# KiCad board data-center-rdimm-ddr4-tester.kicad_pcb (continued)
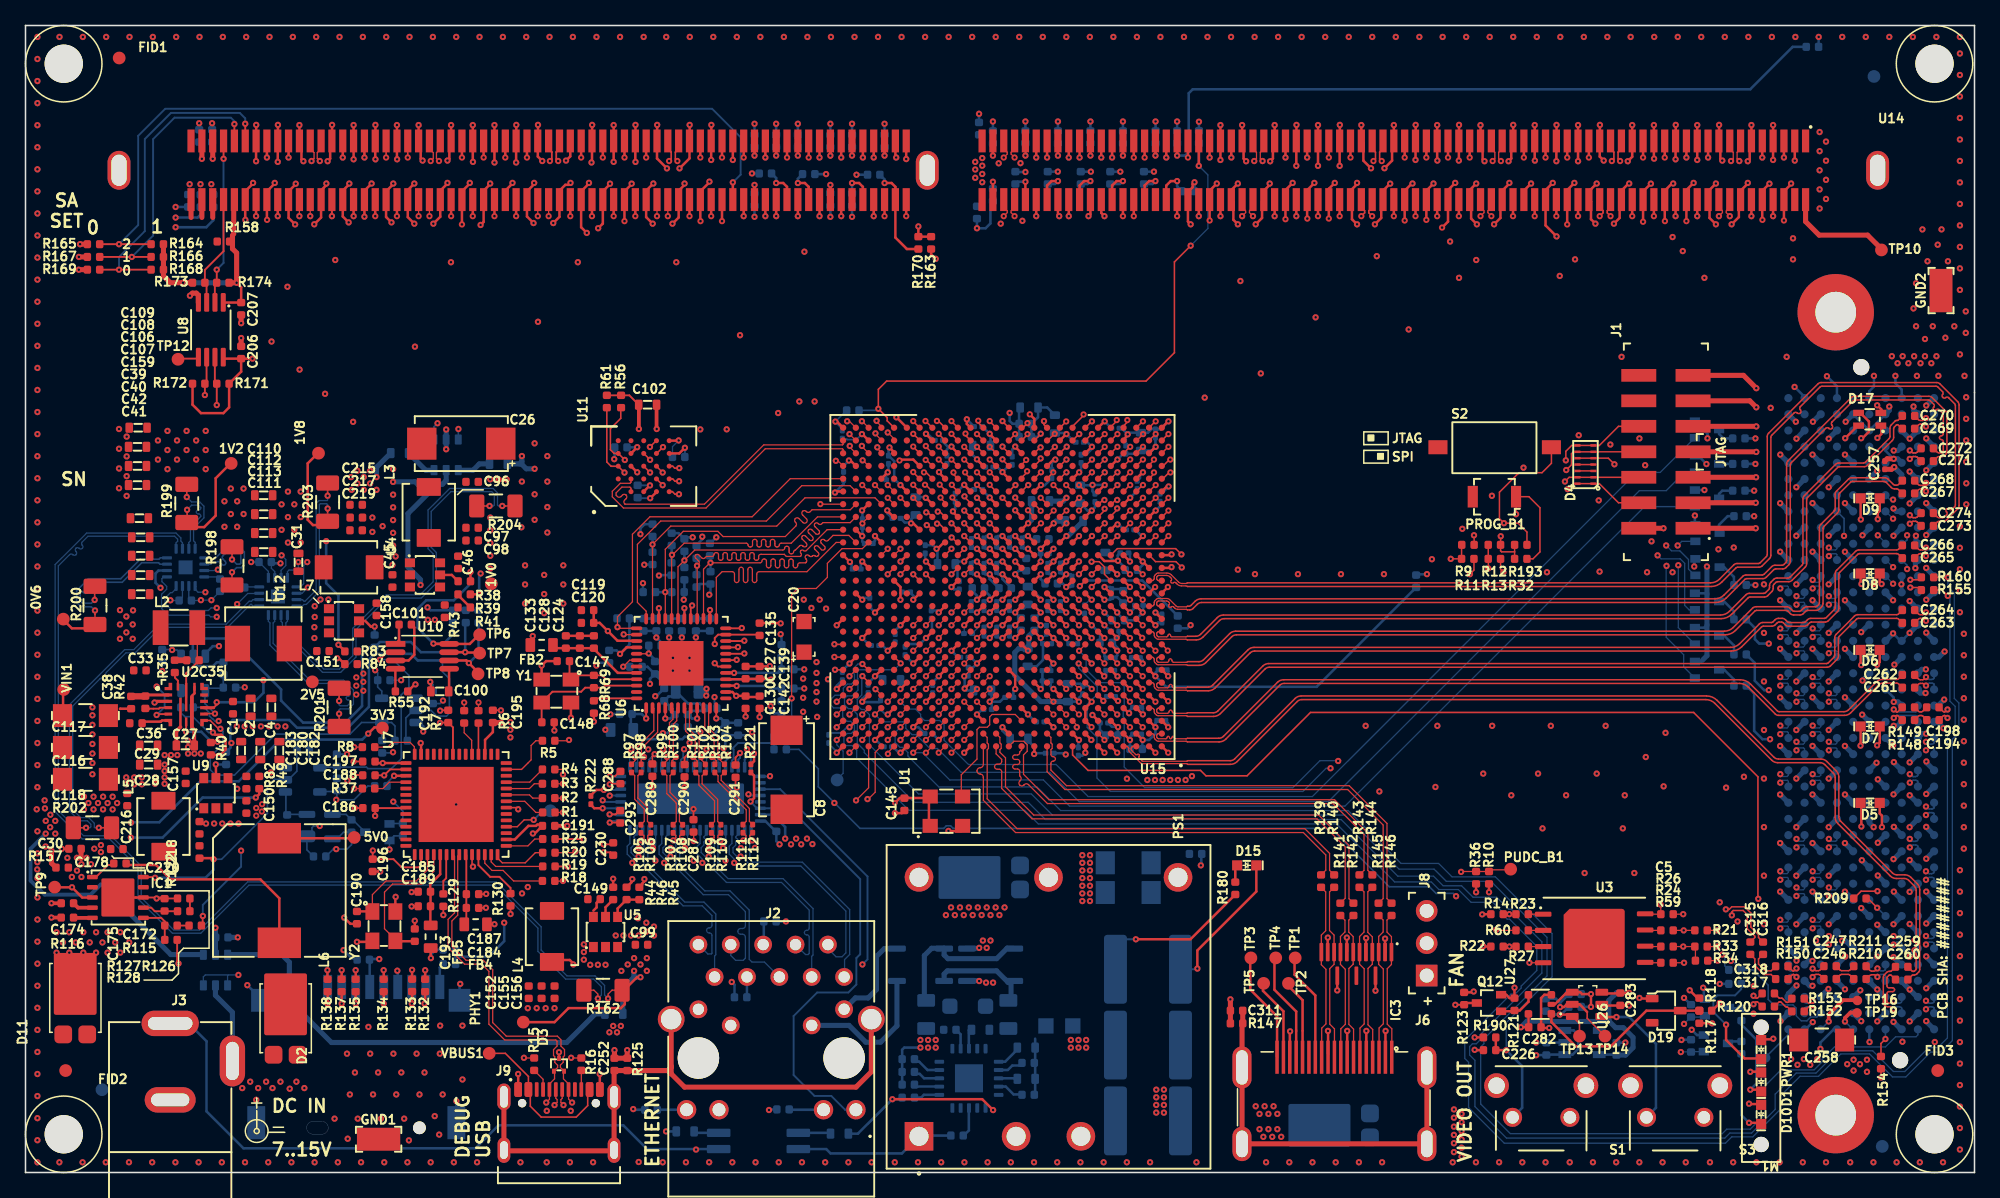
[diagram p0: board, top side]
## Routing (per net, layer and track width the routed paths; a pad name or vN(x,y) marks a point on that pad's centre or on a via; arc(x,y) is an arc through that point) (continued)
GND1: length 31
  Top w0.4: C311.1 R147.2 95.43,11.64 95.43,2.25 109.93,2.25 109.93,8.25
GNDD: length 25
  Top w0.2: v1(68,5.75) 75.05,5.75 v1(75.9,4.9) ; v1(91.93,16) 91.93,17.42 96.55,22.05 D15.2
  Bottom w0.1: 91.88,15.95 v1(91.93,16)
  Bottom w0.15: C224.2 91.88,15.95
  Bottom w0.2: R179.1 68.64,5.75 v1(68,5.75) 65.3,3.05 R183.1
  vias: v1(88.7,6.5) v1(88.7,5.9) v1(88.7,5.3) v1(88.7,4.7) v1(89.3,6.5) v1(89.3,5.9) v1(89.3,5.3) v1(89.3,4.7)
GNDS: length 49.2
  Top w0.4: C252.1 46.2,7.99 ; C252.1 R125.2 50.4,8 ; C252.1 46.17,7.97 46.17,1.7 37.53,1.7 37.53,5.88 ; 66.35,12.03 66.35,7.9 65.15,6.7 51.7,6.7 50.65,7.75 ; 50.65,8.35 50.65,8.25 50.4,8 ; 50.65,8.35 50.65,7.75 ; 50.65,8.35 50.65,12.03 ; 50.4,8 50.65,7.75
VBUS: length 12.7
  Top w0.127: VBUS1.1 37.64,9.35 39.45,7.54 39.45,6.46 39.6,6.31 39.6,5.2 40.45,4.35 43.2,4.35 44.1,5.25 44.1,6.31 44.25,6.46
VCC0V6: length 6
  Top w0.2: 2.92,43.42 3.64,42.7 5.45,42.7
  Top w0.25: 9.21,37.47 11.2,37.47
  Top w0.5: 9.41,37.36 C38.1
VCC1V0: length 3.1
  Top w0.127: 35.1,52.3 35.82,52.3
  Top w0.2: R39.1 v1(35.59,45.36)
  Bottom w0.2: v1(35.59,45.36) 35.59,46.89 v1(35.7,47)
VCC1V2: length 12
  Top w0.12: 44.22,14.3 43.5,14.3
  Top w0.2: 41.3,16.67 42.7,16.67 42.97,16.4 v1(42.97,16.32) ; v1(47.6,23.02) 47.54,22.96 47.54,22.77 R45.1
  In5.Cu w0.2: v1(47.6,23.02) 42.97,18.4 v1(42.97,16.32)
VCC1V8: length 17.3
  Top w0.127: 23.7,51.52 23.7,50.8
  Top w0.2: 23.7,50.8 22.55,50.8 22.14,51.21 22.14,55.64 22.94,56.44 ; 25.05,40.9 v1(24.55,41.41)
  Bottom w0.2: v1(23.59,49.54) 23.59,46.24 24.55,45.28 v1(24.55,41.41)
VCC2V5: length 7
  Top w0.15: 14.76,36.47 15,36.71 v1(15,36.9) ; 16.2,46.52 16.2,45.8
  Top w0.25: 14,36.47 14.76,36.47
  Bottom w0.2: v1(15,36.9) 17.92,36.9 18.66,37.64 v1(18.66,38.63)
VCC3V3: length 35.5
  Top w0.127: 6.33,27.05 7.05,27.05
  Top w0.2: 28,34.93 27.37,34.93 v1(26.89,34.44) ; v1(18.07,29.42) 18.34,29.69 R49.1
  Bottom w0.2: v1(18.07,29.42) 13.9,29.42 10.76,26.28 v1(8.27,26.28) ; v1(8.28,27.45) 8.29,27.46 8.29,27.48 10.5,27.48 13.72,30.7 16.73,30.7 20,33.97 26.42,33.97 v1(26.89,34.44)
VCC5V0: length 13.7
  Top w0.127: 24.6,35.42 24.6,34.7
  Top w0.15: 13.9,19.38 13.9,20.11 v1(13.91,20.13)
  Top w0.2: 19.91,26.23 25.77,26.23
  Bottom w0.15: v1(16.91,25.25) 16.91,24 13.91,21 v1(13.91,20.13)
VDD1V2: length 11.3
  Top w0.127: 12.67,50.72 12.65,50.7
  Top w0.15: v1(10.29,35.9) 10.35,35.97 11.2,35.97
  Top w0.2: 16.14,55.69 14.92,54.47 14.92,51.54 14.01,50.64 12.39,50.64
  Bottom w0.15: v1(10.29,38.13) 10.91,37.5 10.91,36.53 v1(10.29,35.9)
VDDQ: length 168.5
  Top w0.1: U14.73 v1(78.44,79.79)
  Top w0.127: 82.64,54.94 v1(82.66,54.94) ; 80.64,50.94 v1(80.66,50.94) ; 74.64,55.94 v1(74.64,55.96) ; 87.64,49.94 v1(87.66,49.94) ; v1(71.66,54.96) 71.66,54.92 ; 70.64,57.94 v1(70.64,57.96) ; v1(89.67,53.83) 89.53,53.83 ; 81.64,57.94 v1(81.66,57.94) ; 77.64,56.94 v1(77.64,56.96) ; v1(72.75,51.88) 72.79,51.84 72.79,51.79 ; 83.62,51.94 v1(83.64,51.94) ; 12.65,53.58 12.65,54.3 ; 86.64,52.94 v1(86.66,52.94) ; 88.64,56.94 v1(88.66,56.94) ; 75.64,52.94 v1(75.64,52.96) ; 79.64,53.94 v1(79.66,53.94) ; 85.64,55.94 v1(85.66,55.94) ; 84.64,58.94 v1(84.66,58.94)
  Top w0.2: v1(64.84,77.64) 65.39,77.64 65.69,77.34 65.69,76.34 ; v1(88.64,77.79) 88.14,77.79 87.79,77.44 87.79,76.34 ; 63.14,79.63 63.14,80.94 v1(63.14,79.79) ; 63.14,76.34 v1(63.14,77.49) ; v1(90.34,77.79) 89.84,77.79 89.49,77.44 89.49,76.34 ; 57.19,76.34 v1(57.19,77.49) ; R170.1 69.14,72.46 68.24,73.36 68.24,77.34 67.94,77.64 v1(67.39,77.64) ; U14.67 v1(83.54,79.79) ; U15.N25 v1(65.64,44.94) ; 80.99,80.94 v1(80.99,79.79) ; v1(86.09,77.79) 85.59,77.79 85.24,77.44 85.24,76.34 ; U15.AF6 84.64,58.94 ; U15.P22 68.64,45.94 v1(68.64,44.94) ; 78.44,76.34 v1(78.44,77.74) ; U14.92 v1(57.19,79.79) ; 60.59,80.94 v1(60.59,79.79) ; 90.34,80.94 v1(90.34,79.79) ; 75.89,76.34 v1(75.89,77.74) ; U15.AA11 79.64,53.94 ; U15.AC15 74.64,55.94 ; U15.AE19 70.64,57.94 ; U15.V10 80.64,50.94 ; U15.R19 v1(70.64,47.94) ; 64.84,80.94 v1(64.84,79.79) ; U15.AF16 73.84,58.74 v1(73.84,59.1) ; 61.44,76.34 61.44,77.34 61.14,77.64 v1(60.59,77.64) ; U15.AB8 82.64,54.94 ; U15.T26 v1(64.67,47.91) ; 80.14,76.34 80.14,77.44 80.49,77.79 v1(80.99,77.79) ; 59.74,76.34 59.74,77.34 59.44,77.64 v1(58.89,77.64) ; 75.89,80.94 v1(75.89,79.79) ; 82.69,76.34 82.69,77.44 83.04,77.79 v1(83.54,77.79) ; 86.09,80.94 v1(86.09,79.79) ; U15.AD2 88.64,56.94 ; 89.53,53.83 U15.AA1 ; U15.T16 v1(73.64,47.94) ; 71.66,54.92 U15.AB18 ; U15.AE9 81.64,57.94 ; U15.K24 v1(65.64,41.94) ; U15.AC5 85.64,55.94 ; U15.U3 87.64,49.94 ; U15.AD12 77.64,56.94 ; 83.12,51.44 83.62,51.94 ; U15.Y4 86.64,52.94 ; 72.79,51.79 U15.W17 ; 67.39,80.94 v1(67.39,79.79) ; U15.Y14 75.64,52.94 ; 88.64,80.94 v1(88.64,79.79) ; 58.89,80.94 v1(58.89,79.79)
  Bottom w0.127: v1(84.66,58.94) 84.66,58.92
  Bottom w0.2: 64.88,47.35 64.8,47.43 64.8,47.78 v1(64.67,47.91) ; v1(72.75,51.88) 72.93,52.05 72.93,52.63 ; v1(80.99,79.79) 80.99,80.75 ; 88.64,57.67 88.64,56.96 v1(88.66,56.94) 88.37,56.65 C24.1 ; C74.1 74.41,58.54 v1(73.84,59.1) ; C214.1 83.31,77.56 v1(83.54,77.79) ; v1(75.89,79.79) 75.89,80.75 ; C176.1 60.59,77.97 v1(60.59,77.64) ; v1(71.66,54.96) 72.28,55.58 72.28,55.61 ; v1(86.66,52.94) 87.2,53.48 87.2,53.63 ; v1(58.89,79.79) 58.89,80.45 ; v1(88.64,79.79) 88.64,80.74 ; C81.1 74.3,56.3 v1(74.64,55.96) 75.25,55.35 75.28,55.35 ; 58.52,78.39 58.89,78.02 v1(58.89,77.64) ; v1(68.64,44.94) 68.64,45.44 68.75,45.55 68.75,45.55 ; v1(70.64,47.94) 70.57,48 C231.1 ; v1(60.59,79.79) 60.59,80.45 ; C24.1 87.4,56.65 ; C24.1 87.38,56.65 87.12,56.39 86.11,56.39 v1(85.66,55.94) ; C211.1 90.34,77.38 v1(90.34,77.79) ; v1(67.39,77.64) 67.39,77.92 67.02,78.29 ; v1(89.67,53.83) 89.11,53.27 89,53.27 ; v1(86.09,77.79) 85.86,77.56 C212.1 ; 75.89,77.19 v1(75.89,77.74) ; 75.06,53.59 75.06,53.54 v1(75.64,52.96) ; R65.1 81.57,58.03 v1(81.66,57.94) 82.3,57.3 82.38,57.3 ; C177.1 v1(63.14,77.49) ; 66.33,41.35 66.23,41.35 v1(65.64,41.94) ; v1(65.64,44.94) 65.6,44.98 65.72,45.09 66.22,45.09 ; C171.1 v1(57.19,77.49) ; v1(70.64,57.96) 70.77,57.96 71.28,57.45 71.33,57.45 ; v1(64.84,79.79) 64.84,80.45 ; 84.66,58.92 85.18,58.4 ; 90.34,80.75 v1(90.34,79.79) 90.95,79.79 91.25,80.08 91.25,84.68 91.56,85 135.3,85 138.63,88.32 C313.1 ; v1(67.39,79.79) 67.39,80.45 ; 82.8,55.68 82.8,55.08 v1(82.66,54.94) ; v1(57.19,79.79) 57.19,80.45 ; C209.1 88.41,77.56 v1(88.64,77.79) ; v1(63.14,79.79) 63.14,80.45 ; v1(78.44,79.79) 78.44,80.75 ; v1(79.66,53.94) 79.67,53.93 79.96,53.93 80.5,54.47 80.5,54.48 ; v1(73.64,47.94) 73.07,47.94 72.94,47.81 C23.1 73.11,47.57 73.11,46.54 73.25,46.39 ; 86.97,50.42 87.07,50.42 87.56,49.94 v1(87.66,49.94) ; C80.1 83.31,51.94 v1(83.64,51.94) 83.89,52.19 83.89,52.62 ; v1(86.09,79.79) 86.09,80.75 ; C179.1 v1(64.84,77.64) ; v1(83.54,79.79) 83.54,80.75 ; 77.4,56.17 77.4,56.72 v1(77.64,56.96) ; C213.1 80.76,77.56 v1(80.99,77.79) ; v1(78.44,77.74) 77.85,77.74
  Bottom w0.4: R63.2 80.83,51.11 v1(80.66,50.94)
  vias: v1(10.39,57.44) v1(10.39,55.94) v1(11.14,58.19) v1(11.14,56.69) v1(11.14,55.19) v1(11.89,57.44) v1(11.89,55.94) v1(12.64,58.19) v1(12.64,56.69) v1(13.39,57.44) v1(13.39,55.94) v1(14.14,58.19) v1(14.14,56.69) v1(14.14,55.19)
VDDSPD: length 19.4
  Top w0.2: v1(16.56,69.81) 16.92,69.46 16.92,68.26 15.51,68.26
  Top w0.4: 16.24,73.54 16.24,72.48 16.56,72.16 v1(16.56,69.81) R174.1 ; 16.34,73.64 16.34,76.29 ; R164.1 R166.1 R168.1 10.82,70.35 11.36,69.81 v1(12.36,69.81) 13.08,69.81
  Bottom w0.4: v1(16.56,69.81) v1(12.36,69.81)
VIN: length 11.1
  Top w0.2: v1(113.6,14.2) 113.53,14.14 R123.2 ; 2.94,35.85 2.95,35.87 2.95,37.9
  Top w0.3: C27.1 11.84,34.63 12.15,34.95
  Top w0.4: 4.36,25.5 4.36,24.64
  Bottom w0.2: 120.75,11.15 121.45,11.15 121.8,10.8 121.8,9.7 121.35,9.25 119.34,9.25 C280.1 118.51,9.22 v1(118.5,9.2)
  vias: v1(2.44,18.85) v1(2.44,17.25) v1(2.94,18.05) v1(3.29,24.69) v1(3.44,18.85) v1(3.44,17.25) v1(3.64,23.19) v1(3.94,18.05) v1(4.04,24.69) v1(4.04,23.69) v1(4.39,24.19) v1(4.39,23.19) v1(4.54,18.85) v1(4.54,17.25) v1(4.59,29.49) v1(4.59,28.49) v1(4.79,24.69) v1(4.94,28.99) v1(5.04,18.05) v1(5.14,24.19) v1(5.34,29.49) v1(5.34,28.49) v1(5.54,18.85) v1(5.54,17.25) v1(5.69,28.99) v1(6.04,18.05) v1(6.09,29.49) v1(6.09,28.49) v1(6.44,28.99) v1(6.44,18.85) v1(6.44,17.25) v1(6.84,29.49) v1(6.84,28.49) v1(7.04,18.05) v1(7.19,28.99) v1(7.44,18.85) v1(7.44,17.25) v1(8.14,18.05) v1(10.16,31) v1(10.16,30.5) v1(10.91,32.75) v1(10.91,32) v1(10.91,31.5) v1(10.91,31) v1(10.91,30.5) v1(11.41,32.75) v1(11.91,32.75) v1(72.2,20.2) v1(72.6,20.8) v1(72.9,20.2) v1(73.3,20.8) v1(73.6,20.2) v1(74,20.8) v1(74.3,20.2) v1(74.7,20.8) v1(75,20.2) v1(75.4,20.8) v1(75.7,20.2) v1(76.1,20.8) v1(76.4,20.2) v1(76.8,20.8) v1(96.5,5.2) v1(96.8,4.6) v1(96.8,3.4) v1(97.1,2.8) v1(97.2,5.2) v1(97.5,4.6) v1(97.5,3.4) v1(97.8,2.8) v1(97.9,5.2) v1(98.2,4.6) v1(98.2,3.4) v1(98.5,2.8)
VIN_POE: length 47
  Top w0.2: R118.1 131.16,13.69 v1(130.54,14.3)
  In2.Cu w0.2: v1(130.54,14.3) 129.94,14.9 119.8,14.9 117.2,12.3 101.27,12.3 90.41,23.16
VIN_RAW: length 139
  Top w0.2: v1(132.3,11.7) 132.28,11.72 R117.1
  In2.Cu w0.2: v1(52.6,1.8) 65.1,1.8 69,5.7 83.1,5.7 84.8,4 109.2,4 113.7,8.5 130.8,8.5 132.3,10 v1(132.3,11.7)
  Bottom w0.2: J3.1 12.8,11.7 14.2,10.3 14.2,4.8 17.1,1.9 35.3,1.9 37.1,3.7 46.9,3.7 48.76,1.84 IC2.1
12P0V: length 2.7
  Top w0.4: 145.85,55.18 146.38,55.18 146.55,55.35 v1(146.59,55.35)
  Bottom w0.4: 147.18,54.42 147.18,54.77 v1(146.59,55.35) ; 147.18,56.95 146.87,56.65 v1(146.55,56.65)
  vias: v1(112.05,4.95) v1(112.05,4.3) v1(112.05,3.6) v1(112.05,2.95) v1(112.05,2.3) v1(112.05,1.6) v1(112.65,4.6) v1(112.65,3.95) v1(112.65,3.25) v1(112.65,2.6) v1(112.65,1.95) v1(112.65,1.25) v1(142.9,8.5) v1(143.4,8.85) v1(143.4,8) v1(143.9,8.5) v1(144.45,8.85) v1(144.45,7.9)
/Ethernet/AMPS_CTL: length 1.5
  Bottom w0.2: 77.8,7.15 77.55,7.4 76.36,7.4
/Ethernet/CLSA: length 1.7
  Bottom w0.2: 74.21,11.4 74,11.19 74,9.75
/Ethernet/CLSB: length 1.8
  Bottom w0.2: 77.8,9.64 76.85,8.69 76.36,8.69
/Ethernet/DEN: length 1.6
  Bottom w0.2: R175.1 73.35,10.84 73.35,9.75
/Ethernet/ETH1_BP_N: length 4.6
  Top w0.1: R106.2 48.79,27.55 48.79,28.64 48.04,29.39 48.04,31.14 R98.1
/Ethernet/ETH1_BP_P: length 4.6
  Top w0.1: R97.2 47.79,31.14 47.79,29.28 48.54,28.54 48.54,27.55 R105.1
/Ethernet/ETH1_N: length 6.2
  Top w0.1: R98.2 48.29,32.38 v1(48.51,32.6) 48.31,32.8 48.31,33.28 49.59,34.55 49.59,36.43 49.69,36.53
  Bottom w0.1: v1(48.51,32.6) 48.31,32.4 48.31,32.19 48.41,32.09 U16.3
/Ethernet/ETH1_P: length 6.2
  Top w0.1: R97.1 47.54,32.05 47.81,32.33 v1(47.81,32.6) 48.01,32.8 48.01,33.4 49.29,34.67 49.29,36.43 49.19,36.53
  Bottom w0.1: U16.2 47.91,32.09 48.01,32.19 48.01,32.4 v1(47.81,32.6)
/Ethernet/ETH2_BP_N: length 4.6
  Top w0.1: R108.2 51.3,27.54 51.3,29.09 50.56,29.83 50.56,31.14 R100.1
/Ethernet/ETH2_BP_P: length 4.6
  Top w0.1: R107.1 51.05,27.54 51.05,28.99 50.31,29.72 50.31,31.14 R99.2
/Ethernet/ETH2_N: length 5.8
  Top w0.1: R100.2 50.71,32.13 50.71,32.3 v1(51.01,32.6) 50.81,32.8 50.81,35.17 51.09,35.44 51.09,36.43 51.19,36.53
  Bottom w0.1: U16.8 50.91,32.09 50.81,32.19 50.81,32.4 v1(51.01,32.6)
/Ethernet/ETH2_P: length 5.8
  Top w0.1: R99.1 50.06,32.07 50.31,32.33 v1(50.31,32.6) 50.51,32.8 50.51,35.3 50.79,35.57 50.79,36.43 50.69,36.53
  Bottom w0.1: v1(50.31,32.6) 50.51,32.4 50.51,32.19 50.41,32.09 U16.7
/Ethernet/ETH3_BP_N: length 4.8
  Top w0.1: R110.2 54.3,27.54 54.3,29.28 53.07,30.5 53.07,31.13 R102.1
/Ethernet/ETH3_BP_P: length 4.8
  Top w0.1: R109.1 54.05,27.54 54.05,29.17 52.82,30.4 52.82,31.13 R101.2
/Ethernet/ETH3_N: length 6
  Top w0.1: 52.19,36.53 52.09,36.43 52.09,34.75 52.84,34 52.84,32.77 v1(53,32.6) 53,32.4 53.32,32.08 R102.2
  Bottom w0.1: 53.01,32.6 52.81,32.4 52.81,32.19 52.91,32.09 U16.12
/Ethernet/ETH3_P: length 6
  Top w0.1: R101.1 52.69,32.14 52.69,32.28 v1(52.38,32.6) 52.54,32.77 52.54,33.88 51.79,34.63 51.79,36.43 51.69,36.53
  Bottom w0.1: U16.11 52.41,32.09 52.51,32.19 52.51,32.4 52.31,32.6
/Ethernet/ETH4_BP_N: length 5.2
  Top w0.1: R104.1 54.57,31.14 54.57,30.77 56.78,28.56 56.78,27.56 R112.2
/Ethernet/ETH4_BP_P: length 5.2
  Top w0.1: R111.1 56.53,27.56 56.53,28.46 54.32,30.67 54.32,31.14 R103.2
/Ethernet/ETH4_N: length 6
  Top w0.1: 54.51,32.6 54.31,32.8 54.31,34.15 53.59,34.88 53.59,36.43 53.69,36.53 ; v1(54.5,32.6) 54.5,32.36 R104.2
  Bottom w0.1: U16.15 54.41,32.09 54.31,32.19 54.31,32.4 54.51,32.6
/Ethernet/ETH4_P: length 6
  Top w0.1: v1(53.85,32.6) 53.89,32.6 54.18,32.31 54.18,32.14 R103.1 ; 53.19,36.53 53.29,36.43 53.29,34.75 54.01,34.02 54.01,32.8 53.81,32.6
  Bottom w0.1: U16.14 53.91,32.09 54.01,32.19 54.01,32.4 53.81,32.6
/Ethernet/INT_ETH1_N: length 15.7
  Top w0.1: R106.1 48.81,26.41 48.81,26.14 48.89,26.06 v1(49.01,26.06)
  Bottom w0.1: 48.91,26.85 48.91,26.57 48.81,26.47 48.81,26.26 v1(49.01,26.06) 48.81,25.86 48.81,24.12 51.71,21.22 53.21,21.22 54.15,20.29 54.15,17.09 54.06,16.99 54.06,15.34
/Ethernet/INT_ETH1_P: length 15.7
  Top w0.1: R105.2 48.51,26.41 48.51,26.14 48.43,26.06 v1(48.31,26.06)
  Bottom w0.1: J2.1 53.52,17.15 53.8,17.15 53.85,17.2 53.85,18.6 arc(53.79,18.74) 53.65,18.8 53.63,18.8 arc(53.48,18.86) 53.43,19 arc(53.48,19.14) 53.63,19.2 53.65,19.2 arc(53.79,19.26) 53.85,19.4 53.85,20.16 53.09,20.92 51.58,20.92 48.51,23.99 48.51,25.86 v1(48.31,26.06) 48.51,26.26 48.51,26.47 48.41,26.57 48.41,26.85
/Ethernet/INT_ETH2_N: length 17.5
  Top w0.1: 51.55,26.64 51.55,26.64 51.31,26.4 51.31,26.26 v1(51.51,26.06)
  Bottom w0.1: 51.41,26.85 51.41,26.57 51.31,26.47 51.31,26.26 v1(51.51,26.06) 51.31,25.86 51.31,24.07 53.29,22.1 55.26,22.1 56.77,20.59 56.77,16.73 56.99,16.51 57.96,16.51 59.13,15.34
/Ethernet/INT_ETH2_P: length 17.4
  Top w0.1: R107.2 51.01,26.44 51.01,26.26 v1(50.81,26.06)
  Bottom w0.1: J2.3 55.32,17.03 55.7,16.65 56.3,16.65 56.47,16.82 56.47,18.47 arc(56.4,18.63) 56.25,18.69 56.1,18.69 arc(55.94,18.76) 55.88,18.92 arc(55.94,19.08) 56.1,19.14 56.25,19.14 arc(56.4,19.21) 56.47,19.37 56.47,20.47 55.14,21.8 53.16,21.8 51.01,23.95 51.01,25.86 v1(50.81,26.06) 51.01,26.26 51.01,26.47 50.91,26.57 50.91,26.85
/Ethernet/INT_ETH3_N: length 18.1
  Top w0.1: R110.1 54.31,26.41 54.31,26.26 v1(54.51,26.06)
  Bottom w0.1: 54.41,26.85 54.41,26.57 54.31,26.47 54.31,26.26 v1(54.51,26.06) 54.31,25.86 54.31,23.86 55.11,23.06 59.43,23.06 61.78,20.71 61.78,17.06 61.68,16.96 J2.8
/Ethernet/INT_ETH3_P: length 18.1
  Top w0.1: v1(53.81,26.06) 54.01,26.26 54.01,26.44 R109.2
  Bottom w0.1: 53.91,26.85 53.91,26.57 54.01,26.47 54.01,26.26 v1(53.81,26.06) 54.03,25.85 54.03,23.72 54.99,22.76 59.3,22.76 61.47,20.59 61.47,19.17 arc(61.42,19.05) 61.3,19 61.27,19 arc(61.15,18.95) 61.1,18.83 arc(61.15,18.7) 61.27,18.65 61.3,18.65 arc(61.42,18.6) 61.47,18.47 61.47,17.19 61.39,17.1 61.19,17.1 J2.7
/Ethernet/INT_ETH4_N: length 18.2
  Top w0.1: R112.1 56.81,26.43 56.81,26.26 v1(57.01,26.06)
  Bottom w0.1: 56.91,26.85 56.91,26.57 56.81,26.47 56.81,26.26 v1(57.01,26.06) 56.81,25.86 56.81,24.57 57.04,24.35 60.94,24.35 64.65,20.64 64.65,17.11 64.25,16.71 64.25,15.38 64.22,15.34
/Ethernet/INT_ETH4_P: length 18.2
  Top w0.1: v1(56.31,26.06) 56.51,26.26 56.51,26.43 R111.2
  Bottom w0.1: J2.9 62.94,17.56 63.58,16.93 64.05,16.93 64.35,17.23 64.35,20.51 60.81,24.05 56.91,24.05 56.51,24.45 56.51,25.86 v1(56.31,26.06) 56.51,26.26 56.51,26.47 56.41,26.57 56.41,26.85
/Ethernet/IRSHDL_EN: length 2
  Bottom w0.2: R179.2 70.25,5.88 70.47,6.09 71.64,6.09
/Ethernet/MPS_DUTY: length 2.1
  Bottom w0.2: 76.36,6.75 76.89,6.75 77.5,6.13 78.13,6.13 R161.2
/Ethernet/PAIR_12: length 25.1
  In2.Cu w0.4: v1(74.81,17.62) 69.03,17.62 65.45,14.05 63.71,14.05 62.47,12.8 52.78,12.8
  Bottom w0.4: 73.76,17.59 74.78,17.59 v1(74.81,17.62)
  vias: v1(75.1,18.2) v1(75.4,17.62) v1(75.7,18.2)
/Ethernet/PAIR_36: length 27
  In2.Cu w0.4: J2.12 59.92,6.95 65.85,6.95 68.8,9.9 68.8,11.55 72.28,15.03 74.22,15.03 ; 74.22,15.03 v1(74.81,15.03) 74.81,14.99 ; 74.22,15.03 74.47,15.03
  Bottom w0.4: 73.76,15.06 74.78,15.06 v1(74.81,15.03)
  vias: v1(75.35,14.9) v1(75.9,14.9)
/Ethernet/PAIR_78: length 11.3
  Bottom w0.4: D13.3 68.36,11.51 67.07,10.22 65.92,10.22 64.6,11.54 J2.13
/Ethernet/PAIR_910: length 7.6
  Bottom w0.4: D13.4 67.37,17.57 66.75,16.95 66.75,14.35 66.1,13.7 65.1,13.7 64.22,12.81
/Ethernet/PG: length 2.3
  Bottom w0.127: R178.1 73.6,2.9 73.8,3.1
  Bottom w0.2: 73.8,3.1 74,3.3 74,5.03
/Ethernet/POE_ACTIVE: length 12.7
  Bottom w0.2: IC2.4 62.81,1.84 63.15,1.5 68.75,1.5 PS1.1 70.15,2.9 72.59,2.9 R178.2
/Ethernet/REF: length 1.9
  Bottom w0.2: 76.36,8.05 77.06,8.05 77.41,8.39 78.16,8.39
/Ethernet/TPH: length 2.1
  Bottom w0.2: R177.1 69.89,7.74 70.14,7.74 70.49,7.4 71.64,7.4
/Ethernet/TPL: length 2
  Bottom w0.2: R181.1 69.88,6.75 71.64,6.75
/FMC HPC/GTR_REFCLK0_R_N: length 2.2
  Top w0.122: 144.38,16.16 144.68,15.86 arc(144.75,15.82) 144.82,15.8 145,15.8 arc(145.08,15.82) 145.14,15.86 145.27,15.99
  Bottom w0.122: J5.D5 145.91,15.97 arc(145.9,15.93) 145.88,15.9 145.86,15.88 arc(145.79,15.84) 145.72,15.83 145.54,15.83 arc(145.46,15.84) 145.4,15.88 v1(145.27,16.01)
/FMC HPC/GTR_REFCLK0_R_P: length 2.2
  Top w0.122: 145.27,15.33 145.14,15.46 arc(145.07,15.5) 145,15.52 144.82,15.52 arc(144.75,15.5) 144.68,15.46 144.38,15.16
  Bottom w0.122: J5.D4 145.91,15.41 arc(145.9,15.45) 145.88,15.48 arc(145.81,15.52) 145.73,15.54 145.54,15.54 arc(145.46,15.52) 145.4,15.48 v1(145.27,15.35)
/FMC HPC/GTR_REFCLK1_R_N: length 3.2
  Top w0.122: 147.22,36.5 146.89,36.17 arc(146.86,36.15) 146.82,36.14 146.78,36.14 arc(146.75,36.15) 146.71,36.17 v1(146.55,36.33)
  Bottom w0.122: v1(146.55,36.33) 146.7,36.19 arc(146.75,36.15) 146.81,36.14 148.26,36.14 arc(148.31,36.15) 148.36,36.19 148.4,36.23 arc(148.43,36.27) 148.44,36.33 148.44,36.64
/FMC HPC/GTR_REFCLK1_R_P: length 3.2
  Top w0.122: 147.22,35.5 146.89,35.83 arc(146.86,35.85) 146.82,35.86 146.78,35.86 arc(146.74,35.85) 146.71,35.83 v1(146.55,35.67)
  Bottom w0.122: v1(146.55,35.67) 146.7,35.81 arc(146.74,35.85) 146.8,35.86 148.26,35.86 arc(148.31,35.85) 148.36,35.81 148.4,35.77 arc(148.43,35.73) 148.44,35.67 148.44,35.36
/FMC HPC/GTR_REFCLK2_R_N: length 2
  Top w0.122: v1(138.92,16.01) 138.76,15.85 arc(138.73,15.83) 138.69,15.82 138.66,15.82 arc(138.62,15.83) 138.59,15.85 R151.1
  Bottom w0.122: v1(138.92,16.01) 138.79,15.88 arc(138.73,15.84) 138.65,15.82 138.46,15.82 arc(138.38,15.84) 138.31,15.88 arc(138.29,15.91) 138.28,15.95 138.28,16.31
/FMC HPC/GTR_REFCLK2_R_P: length 2
  Top w0.122: R150.1 138.59,15.51 arc(138.62,15.53) 138.66,15.54 138.69,15.54 arc(138.73,15.53) 138.76,15.51 v1(138.92,15.35)
  Bottom w0.122: v1(138.92,15.35) 138.79,15.48 arc(138.73,15.52) 138.65,15.53 138.47,15.53 arc(138.4,15.52) 138.33,15.48 138.31,15.46 arc(138.29,15.43) 138.28,15.39 138.28,15.04
/FMC HPC/GTR_REFCLK3_R_N: length 2
  Top w0.122: v1(140.19,13.47) 140.03,13.31 arc(140,13.29) 139.96,13.28 139.93,13.28 arc(139.89,13.29) 139.86,13.31 R153.1
  Bottom w0.122: v1(140.19,13.47) 140.06,13.34 arc(140,13.3) 139.92,13.28 139.73,13.28 arc(139.65,13.3) 139.58,13.34 arc(139.56,13.37) 139.56,13.41 139.56,13.78
/FMC HPC/GTR_REFCLK3_R_P: length 2
  Top w0.122: v1(140.19,12.81) 140.03,12.97 arc(140,12.99) 139.96,13 139.93,13 arc(139.89,12.99) 139.86,12.97 R152.1
  Bottom w0.122: v1(140.19,12.81) 140.06,12.94 arc(140,12.98) 139.92,12.99 139.74,12.99 arc(139.67,12.98) 139.6,12.94 139.58,12.92 arc(139.56,12.89) 139.56,12.85 J5.J2
/FMC HPC/GTX_TX0_C_N: length 5.5
  Top w0.122: 146.69,15.14 146.36,15.47 arc(146.33,15.49) 146.29,15.5 146.24,15.5 arc(146.2,15.49) 146.17,15.47 146.05,15.34 arc(146.03,15.31) 146.02,15.27 146.02,14.64 arc(146.06,14.54) 146.17,14.49 146.47,14.49 arc(146.57,14.45) 146.62,14.34 arc(146.57,14.24) 146.47,14.19 146.17,14.19 arc(146.06,14.15) 146.02,14.04 146.02,13.4 arc(146.03,13.36) 146.05,13.33 146.06,13.31 arc(146.1,13.29) 146.13,13.29 146.31,13.29 arc(146.35,13.29) 146.38,13.31 v1(146.54,13.47)
  Bottom w0.122: v1(146.54,13.47) 146.67,13.34 arc(146.73,13.3) 146.81,13.29 146.99,13.29 arc(147.06,13.3) 147.13,13.34 147.15,13.36 arc(147.17,13.39) 147.18,13.43 147.18,13.78
/FMC HPC/GTX_TX0_C_P: length 5.5
  Top w0.122: 146.69,16.14 146.36,15.81 arc(146.33,15.79) 146.29,15.78 146.19,15.78 arc(146.09,15.76) 146,15.71 145.81,15.51 arc(145.75,15.43) 145.73,15.32 145.73,13.35 arc(145.75,13.25) 145.81,13.16 145.9,13.08 arc(145.98,13.02) 146.08,13 146.31,13 arc(146.35,12.99) 146.38,12.97 v1(146.54,12.81)
  Bottom w0.122: J5.C2 147.18,12.87 arc(147.17,12.91) 147.15,12.94 arc(147.08,12.98) 147,13 146.81,13 arc(146.73,12.98) 146.67,12.94 v1(146.54,12.81)
/FMC HPC/GTX_TX1_C_N: length 2.2
  Top w0.122: 148.19,39.02 148.49,38.72 arc(148.56,38.68) 148.63,38.66 148.81,38.66 arc(148.89,38.68) 148.95,38.72 149.08,38.85
  Bottom w0.122: 149.71,39.17 149.71,38.83 arc(149.71,38.79) 149.69,38.76 149.67,38.74 arc(149.6,38.7) 149.53,38.69 149.35,38.69 arc(149.27,38.7) 149.21,38.74 v1(149.08,38.87)
/FMC HPC/GTX_TX1_C_P: length 2.2
  Top w0.122: 148.19,38.02 148.49,38.32 arc(148.56,38.36) 148.63,38.38 148.81,38.38 arc(148.88,38.36) 148.95,38.32 149.08,38.19
  Bottom w0.122: v1(149.08,38.21) 149.21,38.34 arc(149.27,38.38) 149.35,38.4 149.54,38.4 arc(149.62,38.38) 149.69,38.34 arc(149.71,38.31) 149.71,38.27 J5.A22
/FMC HPC/GTX_TX2_C_N: length 2.2
  Top w0.122: 148.19,44.12 148.49,43.83 arc(148.56,43.78) 148.63,43.77 148.81,43.77 arc(148.89,43.78) 148.95,43.83 v1(149.08,43.95)
  Bottom w0.122: v1(149.08,43.95) 149.21,43.82 arc(149.27,43.78) 149.35,43.77 149.53,43.77 arc(149.6,43.78) 149.67,43.82 149.69,43.84 arc(149.71,43.87) 149.71,43.91 J5.A27
/FMC HPC/GTX_TX2_C_P: length 2.2
  Top w0.122: v1(149.08,43.29) 148.95,43.42 arc(148.88,43.47) 148.81,43.48 148.63,43.48 arc(148.56,43.47) 148.49,43.42 148.19,43.12
  Bottom w0.122: v1(149.08,43.29) 149.21,43.42 arc(149.27,43.46) 149.35,43.48 149.54,43.48 arc(149.62,43.46) 149.69,43.42 arc(149.71,43.39) 149.71,43.35 J5.A26
/FMC HPC/GTX_TX3_C_N: length 2.2
  Top w0.122: v1(149.08,49.03) 148.95,48.91 arc(148.89,48.86) 148.81,48.85 148.63,48.85 arc(148.56,48.86) 148.49,48.91 148.19,49.2
  Bottom w0.122: J5.A31 149.71,48.99 arc(149.71,48.95) 149.69,48.92 149.67,48.9 arc(149.6,48.86) 149.53,48.85 149.35,48.85 arc(149.27,48.86) 149.21,48.9 v1(149.08,49.03)
/FMC HPC/GTX_TX3_C_P: length 2.2
  Top w0.122: v1(149.08,48.37) 148.95,48.5 arc(148.88,48.55) 148.81,48.56 148.63,48.56 arc(148.56,48.55) 148.49,48.5 148.19,48.2
  Bottom w0.122: J5.A30 149.71,48.43 arc(149.71,48.47) 149.69,48.5 arc(149.62,48.54) 149.54,48.56 149.35,48.56 arc(149.27,48.54) 149.21,48.5 v1(149.08,48.37)
/FMC HPC/GTX_TX4_C_N: length 2.2
  Top w0.122: 148.19,54.27 148.49,53.97 arc(148.56,53.93) 148.63,53.91 148.81,53.91 arc(148.89,53.93) 148.95,53.97 149.08,54.1
  Bottom w0.122: 149.71,54.42 149.71,54.07 arc(149.71,54.03) 149.69,54 149.67,53.98 arc(149.6,53.94) 149.53,53.93 149.35,53.93 arc(149.27,53.94) 149.21,53.98 v1(149.08,54.11)
/FMC HPC/GTX_TX4_C_P: length 2.2
  Top w0.122: 148.19,53.27 148.49,53.57 arc(148.56,53.61) 148.63,53.63 148.81,53.63 arc(148.88,53.61) 148.95,53.57 149.08,53.44
  Bottom w0.122: v1(149.08,53.45) 149.21,53.58 arc(149.27,53.62) 149.35,53.64 149.54,53.64 arc(149.62,53.62) 149.69,53.58 arc(149.71,53.55) 149.71,53.51 J5.A34
/FMC HPC/GTX_TX5_C_N: length 2.2
  Top w0.122: v1(149.08,59.19) 148.95,59.07 arc(148.89,59.02) 148.81,59.01 148.63,59.01 arc(148.56,59.02) 148.49,59.07 148.19,59.36
  Bottom w0.122: J5.A39 149.71,59.15 arc(149.71,59.11) 149.69,59.08 149.67,59.06 arc(149.6,59.02) 149.53,59.01 149.35,59.01 arc(149.27,59.02) 149.21,59.06 v1(149.08,59.19)
/FMC HPC/GTX_TX5_C_P: length 2.2
  Top w0.122: v1(149.08,58.53) 148.95,58.66 arc(148.88,58.71) 148.81,58.72 148.63,58.72 arc(148.56,58.71) 148.49,58.66 148.19,58.36
  Bottom w0.122: J5.A38 149.71,58.59 arc(149.71,58.63) 149.69,58.66 arc(149.62,58.7) 149.54,58.72 149.35,58.72 arc(149.27,58.7) 149.21,58.66 v1(149.08,58.53)
/FMC HPC/GTX_TX6_C_N: length 2.2
  Top w0.122: C272.2 148.4,56.52 arc(148.33,56.48) 148.26,56.46 148.08,56.46 arc(148.01,56.48) 147.94,56.52 v1(147.81,56.65)
  Bottom w0.122: v1(147.81,56.65) 147.94,56.52 arc(148,56.48) 148.08,56.47 148.26,56.47 arc(148.33,56.48) 148.4,56.52 148.42,56.54 arc(148.44,56.57) 148.44,56.61 148.44,56.95
/FMC HPC/GTX_TX6_C_P: length 2.2
  Top w0.122: v1(147.81,55.99) 147.94,56.12 arc(148,56.16) 148.08,56.18 148.26,56.18 arc(148.33,56.16) 148.4,56.12 C271.1
  Bottom w0.122: v1(147.81,55.99) 147.94,56.12 arc(148,56.16) 148.08,56.18 148.27,56.18 arc(148.35,56.16) 148.42,56.12 arc(148.44,56.09) 148.44,56.05 148.44,55.69
/FMC HPC/GTX_TX7_C_N: length 2.2
  Top w0.122: C274.1 148.4,51.44 arc(148.34,51.4) 148.26,51.39 148.08,51.39 arc(148,51.4) 147.94,51.44 v1(147.81,51.57)
  Bottom w0.122: 148.44,51.88 148.44,51.53 arc(148.44,51.49) 148.42,51.46 148.4,51.44 arc(148.33,51.4) 148.26,51.39 148.08,51.39 arc(148,51.4) 147.94,51.44 v1(147.81,51.57)
/FMC HPC/GTX_TX7_C_P: length 2.2
  Top w0.122: C273.1 148.39,51.04 arc(148.33,51.08) 148.25,51.1 148.08,51.1 arc(148,51.08) 147.94,51.04 v1(147.81,50.91)
  Bottom w0.122: 148.44,50.61 148.44,50.97 arc(148.44,51.01) 148.42,51.04 arc(148.35,51.08) 148.27,51.1 148.08,51.1 arc(148,51.08) 147.94,51.04 v1(147.81,50.91)
/FPGA banks 115-116/GTR_REFCLK0_N: length 80.4
  Top w0.122: 140.19,16.03 140.32,15.89 arc(140.38,15.85) 140.46,15.83 140.63,15.83 arc(140.71,15.85) 140.77,15.89 141.07,16.19